# KiCad board Env-KB60F.kicad_pcb
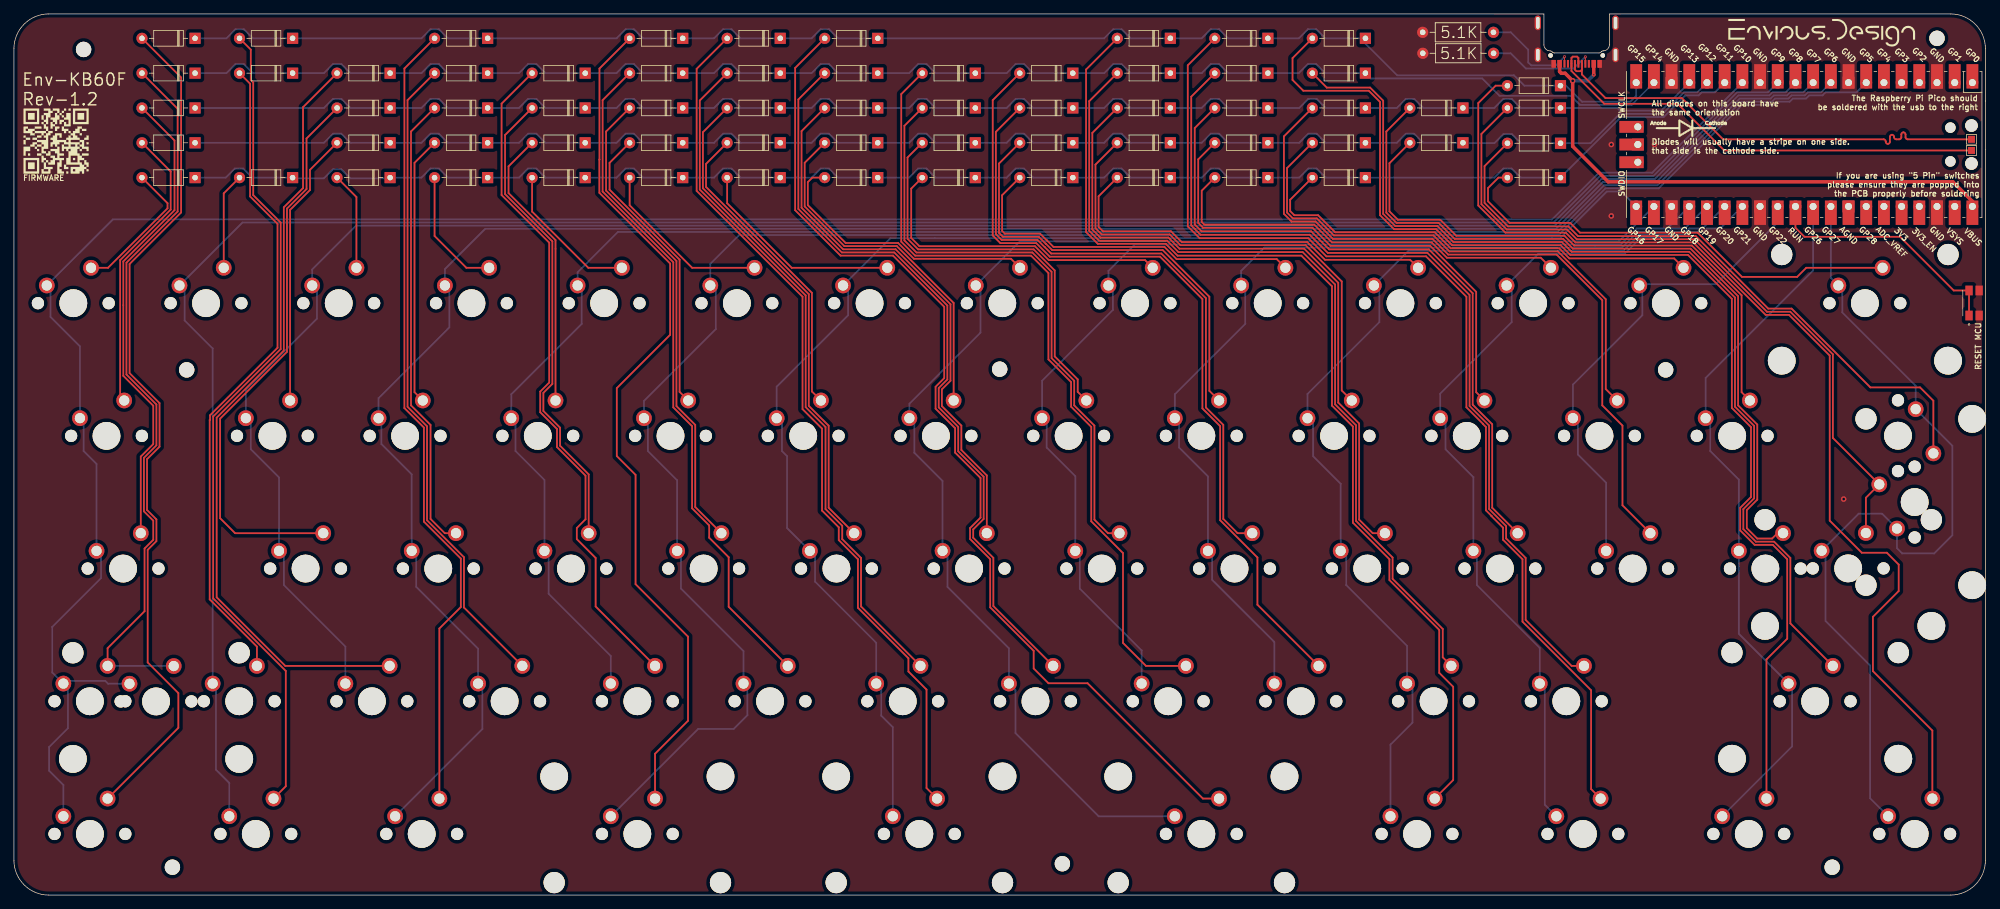
[diagram p0: board, top side]
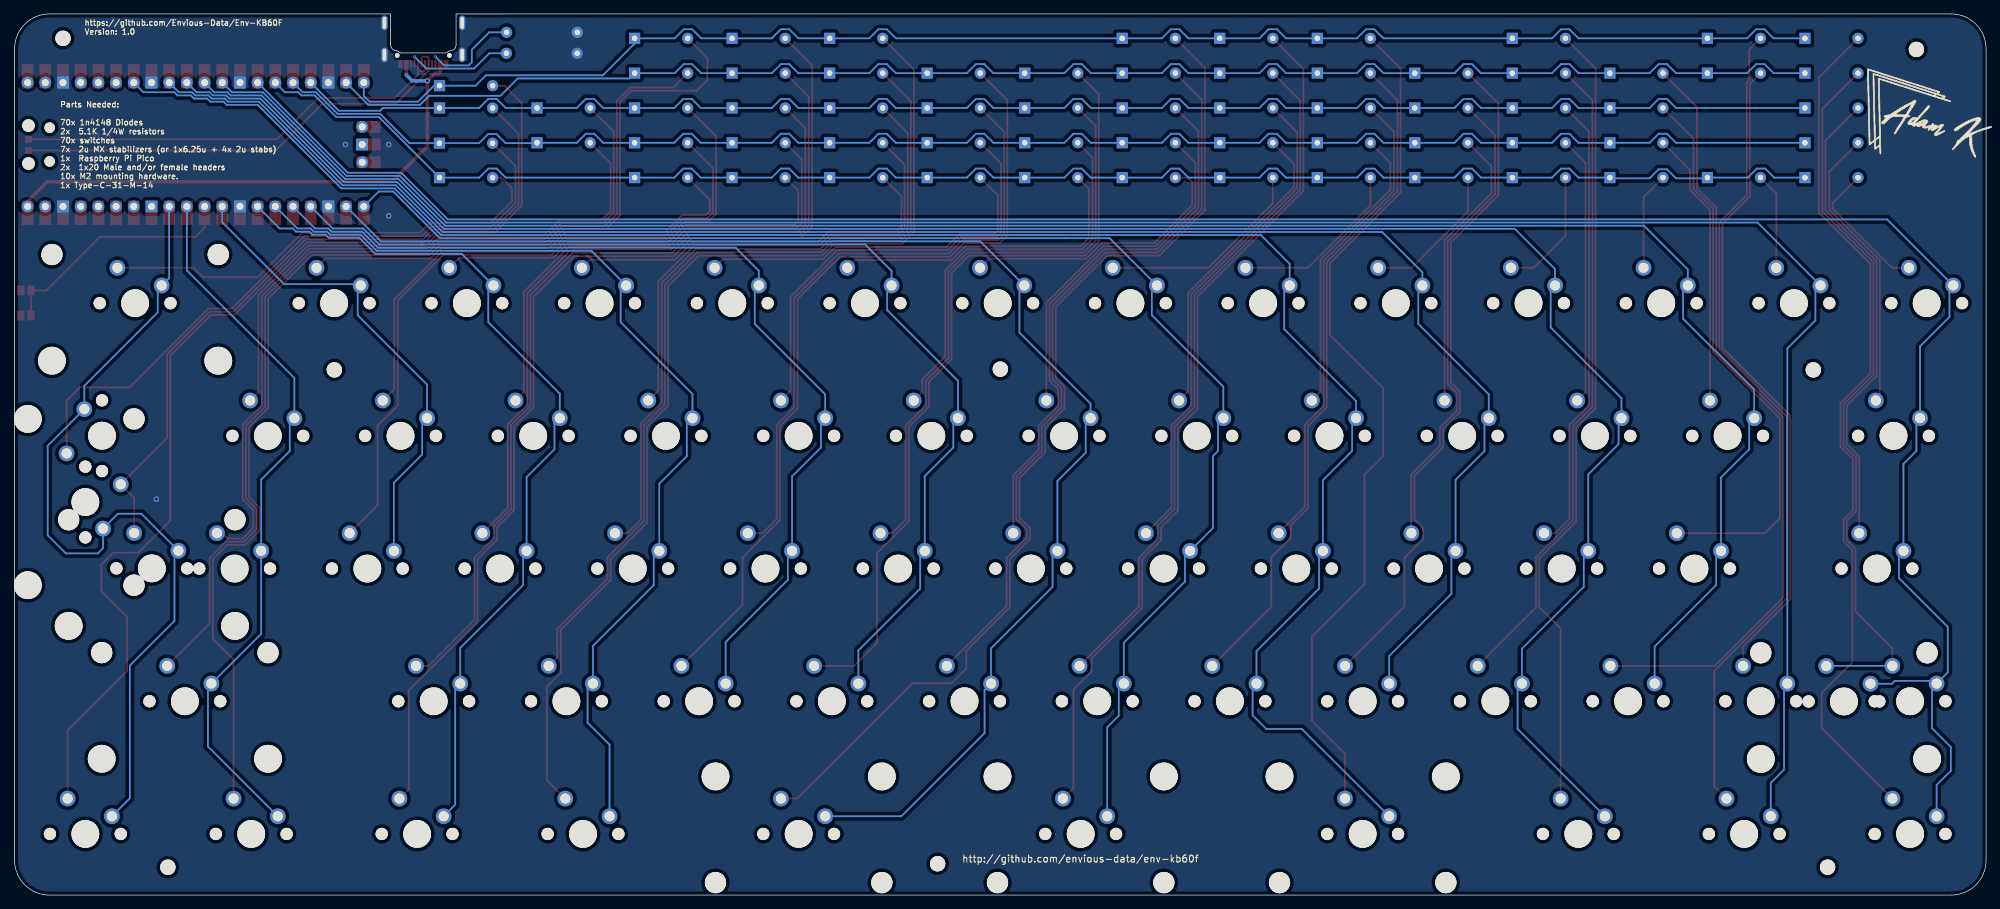
[diagram p1: board, bottom side, seen from below]

Outline 283 x 126.5 mm; copper layers: Top, Bottom. Coordinates in mm from the lower left corner of the outline.
Outline path: 219.62,126.5 5,126.5 arc(1.46,125.04) 0,121.5 0,5 arc(1.46,1.46) 5,0 278,0 arc(281.54,1.46) 283,5 283,121.5 arc(281.54,125.04) 278,126.5 229.03,126.5
Stack: Top 0.035mm / dielectric 1.51mm FR4 er 4.5 / Bottom 0.035mm

## Placement (name value [footprint] x y rotation side)
5.1K1  5.1K 0402 Resistor  [R_Axial_DIN0207_L6.3mm_D2.5mm_P10.16mm_Horizontal]  212.4 120.85 180 top
5.1K2  5.1K 0402 Resistor  [R_Axial_DIN0207_L6.3mm_D2.5mm_P10.16mm_Horizontal]  202.22 123.86 0 top
D_1  D  [D_DO-35_SOD27_P7.62mm_Horizontal]  26 103 180 top
D_2  D  [D_DO-35_SOD27_P7.62mm_Horizontal]  40 103 180 top
D_3  D  [D_DO-35_SOD27_P7.62mm_Horizontal]  54 103 180 top
D_4  D  [D_DO-35_SOD27_P7.62mm_Horizontal]  68 103 180 top
D_5  D  [D_DO-35_SOD27_P7.62mm_Horizontal]  82 103 180 top
D_6  D  [D_DO-35_SOD27_P7.62mm_Horizontal]  96 103 180 top
D_7  D  [D_DO-35_SOD27_P7.62mm_Horizontal]  110 103 180 top
D_8  D  [D_DO-35_SOD27_P7.62mm_Horizontal]  124 103 180 top
D_9  D  [D_DO-35_SOD27_P7.62mm_Horizontal]  138 103 180 top
D_10  D  [D_DO-35_SOD27_P7.62mm_Horizontal]  152 103 180 top
D_11  D  [D_DO-35_SOD27_P7.62mm_Horizontal]  166 103 180 top
D_12  D  [D_DO-35_SOD27_P7.62mm_Horizontal]  180 103 180 top
D_13  D  [D_DO-35_SOD27_P7.62mm_Horizontal]  194 103 180 top
D_14  D  [D_DO-35_SOD27_P7.62mm_Horizontal]  222 103 180 top
D_15  D  [D_DO-35_SOD27_P7.62mm_Horizontal]  26 108 180 top
D_16  D  [D_DO-35_SOD27_P7.62mm_Horizontal]  54 108 180 top
D_17  D  [D_DO-35_SOD27_P7.62mm_Horizontal]  68 108 180 top
D_18  D  [D_DO-35_SOD27_P7.62mm_Horizontal]  82 108 180 top
D_19  D  [D_DO-35_SOD27_P7.62mm_Horizontal]  96 108 180 top
D_20  D  [D_DO-35_SOD27_P7.62mm_Horizontal]  110 108 180 top
D_21  D  [D_DO-35_SOD27_P7.62mm_Horizontal]  124 108 180 top
D_22  D  [D_DO-35_SOD27_P7.62mm_Horizontal]  138 108 180 top
D_23  D  [D_DO-35_SOD27_P7.62mm_Horizontal]  152 108 180 top
D_24  D  [D_DO-35_SOD27_P7.62mm_Horizontal]  166 108 180 top
D_25  D  [D_DO-35_SOD27_P7.62mm_Horizontal]  180 108 180 top
D_26  D  [D_DO-35_SOD27_P7.62mm_Horizontal]  194 108 180 top
D_27  D  [D_DO-35_SOD27_P7.62mm_Horizontal]  208 108 180 top
D_28  D  [D_DO-35_SOD27_P7.62mm_Horizontal]  222.01 107.94 180 top
D_29  D  [D_DO-35_SOD27_P7.62mm_Horizontal]  26 113 180 top
D_30  D  [D_DO-35_SOD27_P7.62mm_Horizontal]  54 113 180 top
D_31  D  [D_DO-35_SOD27_P7.62mm_Horizontal]  68 113 180 top
D_32  D  [D_DO-35_SOD27_P7.62mm_Horizontal]  82 113 180 top
D_33  D  [D_DO-35_SOD27_P7.62mm_Horizontal]  96 113 180 top
D_34  D  [D_DO-35_SOD27_P7.62mm_Horizontal]  110 113 180 top
D_35  D  [D_DO-35_SOD27_P7.62mm_Horizontal]  124 113 180 top
D_36  D  [D_DO-35_SOD27_P7.62mm_Horizontal]  138 113 180 top
D_37  D  [D_DO-35_SOD27_P7.62mm_Horizontal]  152 113 180 top
D_38  D  [D_DO-35_SOD27_P7.62mm_Horizontal]  166 113 180 top
D_39  D  [D_DO-35_SOD27_P7.62mm_Horizontal]  180 113 180 top
D_40  D  [D_DO-35_SOD27_P7.62mm_Horizontal]  194 113 180 top
D_41  D  [D_DO-35_SOD27_P7.62mm_Horizontal]  208 113 180 top
D_42  D  [D_DO-35_SOD27_P7.62mm_Horizontal]  222 113 180 top
D_43  D  [D_DO-35_SOD27_P7.62mm_Horizontal]  26 118 180 top
D_44  D  [D_DO-35_SOD27_P7.62mm_Horizontal]  40 118 180 top
D_45  D  [D_DO-35_SOD27_P7.62mm_Horizontal]  54 118 180 top
D_46  D  [D_DO-35_SOD27_P7.62mm_Horizontal]  68 118 180 top
D_47  D  [D_DO-35_SOD27_P7.62mm_Horizontal]  82 118 180 top
D_48  D  [D_DO-35_SOD27_P7.62mm_Horizontal]  96 118 180 top
D_49  D  [D_DO-35_SOD27_P7.62mm_Horizontal]  110 118 180 top
D_50  D  [D_DO-35_SOD27_P7.62mm_Horizontal]  124 118 180 top
D_51  D  [D_DO-35_SOD27_P7.62mm_Horizontal]  138 118 180 top
D_52  D  [D_DO-35_SOD27_P7.62mm_Horizontal]  152 118 180 top
D_53  D  [D_DO-35_SOD27_P7.62mm_Horizontal]  166 118 180 top
D_54  D  [D_DO-35_SOD27_P7.62mm_Horizontal]  180 118 180 top
D_55  D  [D_DO-35_SOD27_P7.62mm_Horizontal]  194 118 180 top
D_56  D  [D_DO-35_SOD27_P7.62mm_Horizontal]  26 123 180 top
D_57  D  [D_DO-35_SOD27_P7.62mm_Horizontal]  40 123 180 top
D_58  D  [D_DO-35_SOD27_P7.62mm_Horizontal]  68 123 180 top
D_59  D  [D_DO-35_SOD27_P7.62mm_Horizontal]  110 123 180 top
D_60  D  [D_DO-35_SOD27_P7.62mm_Horizontal]  166 123 180 top
D_61  D  [D_DO-35_SOD27_P7.62mm_Horizontal]  180 123 180 top
D_62  D  [D_DO-35_SOD27_P7.62mm_Horizontal]  194 123 180 top
D_63  D  [D_DO-35_SOD27_P7.62mm_Horizontal]  222 116.2 180 top
D_590  D  [D_DO-35_SOD27_P7.62mm_Horizontal]  96 122.99 180 top
D_591  D  [D_DO-35_SOD27_P7.62mm_Horizontal]  124 122.99 180 top
G***  LOGO  [diode]  240 110.1 0 top
G***#2  LOGO  [firmware-qrcode]  6.05 108.25 0 top
G***#3  LOGO  [logo]  7.98 112 180 bottom
H1  MountingHole  [MountingHole_2.2mm_M2-MODIFIED]  150.5 4.5 0 top
H2  MountingHole  [MountingHole_2.2mm_M2-MODIFIED]  22.75 4 0 top
H3  MountingHole  [MountingHole_2.2mm_M2-MODIFIED]  10 121.4 0 top
H4  MountingHole  [MountingHole_2.2mm_M2-MODIFIED]  24.8 75.4 0 top
H6  MountingHole  [MountingHole_2.2mm_M2-MODIFIED]  261 4 0 top
H9  MountingHole  [MountingHole_2.2mm_M2-MODIFIED]  141.5 75.5 0 top
H10  MountingHole  [MountingHole_2.2mm_M2-MODIFIED]  237.1 75.4 0 top
H11  MountingHole  [MountingHole_2.2mm_M2-MODIFIED]  276.05 123 0 top
J1  TP3 Pad  [TestPoint_Pad_1.0x1.0mm]  281 108.5 0 top
J2  TP2 Pad  [TestPoint_Pad_1.0x1.0mm]  281 106.9 0 top
K_1  KEYSW  [MXOnly-1U-NoLED]  8.53 84.97 0 top
K_2  KEYSW  [MXOnly-1U-NoLED]  27.58 84.97 0 top
K_3  KEYSW  [MXOnly-1U-NoLED]  46.62 84.97 0 top
K_4  KEYSW  [MXOnly-1U-NoLED]  65.68 84.97 0 top
K_5  KEYSW  [MXOnly-1U-NoLED]  84.72 84.97 0 top
K_6  KEYSW  [MXOnly-1U-NoLED]  103.78 84.97 0 top
K_7  KEYSW  [MXOnly-1U-NoLED]  122.82 84.97 0 top
K_8  KEYSW  [MXOnly-1U-NoLED]  141.88 84.97 0 top
K_9  KEYSW  [MXOnly-1U-NoLED]  160.93 84.97 0 top
K_10  KEYSW  [MXOnly-1U-NoLED]  179.98 84.97 0 top
K_11  KEYSW  [MXOnly-1U-NoLED]  199.02 84.97 0 top
K_12  KEYSW  [MXOnly-1U-NoLED]  218.07 84.97 0 top
K_13  KEYSW  [MXOnly-1U-NoLED]  237.12 84.97 0 top
K_14  KEYSW  [MXOnly-1U-NoLED]  265.7 84.97 0 top
K_15  KEYSW  [MXOnly-1U-NoLED]  13.29 65.92 0 top
K_16  KEYSW  [MXOnly-1U-NoLED]  37.1 65.92 0 top
K_17  KEYSW  [MXOnly-1U-NoLED]  56.15 65.92 0 top
K_18  KEYSW  [MXOnly-1U-NoLED]  75.2 65.92 0 top
K_19  KEYSW  [MXOnly-1U-NoLED]  94.25 65.92 0 top
K_20  KEYSW  [MXOnly-1U-NoLED]  113.3 65.92 0 top
K_21  KEYSW  [MXOnly-1U-NoLED]  132.35 65.92 0 top
K_22  KEYSW  [MXOnly-1U-NoLED]  151.4 65.92 0 top
K_23  KEYSW  [MXOnly-1U-NoLED]  170.45 65.92 0 top
K_24  KEYSW  [MXOnly-1U-NoLED]  189.5 65.92 0 top
K_25  KEYSW  [MXOnly-1U-NoLED]  208.55 65.92 0 top
K_26  KEYSW  [MXOnly-1U-NoLED]  227.6 65.92 0 top
K_27  KEYSW  [MXOnly-1U-NoLED]  246.65 65.92 0 top
K_28  KEYSW  [MXOnly-1U-NoLED]  270.45 65.95 270 top
K_29  KEYSW  [MXOnly-1U-NoLED]  263.3 46.9 0 top
K_30  KEYSW  [MXOnly-1U-NoLED]  15.67 46.88 0 top
K_31  KEYSW  [MXOnly-1U-NoLED]  41.86 46.88 0 top
K_32  KEYSW  [MXOnly-1U-NoLED]  60.91 46.88 0 top
K_33  KEYSW  [MXOnly-1U-NoLED]  79.96 46.88 0 top
K_34  KEYSW  [MXOnly-1U-NoLED]  99.01 46.88 0 top
K_35  KEYSW  [MXOnly-1U-NoLED]  118.06 46.88 0 top
K_36  KEYSW  [MXOnly-1U-NoLED]  137.11 46.88 0 top
K_37  KEYSW  [MXOnly-1U-NoLED]  156.16 46.88 0 top
K_38  KEYSW  [MXOnly-1U-NoLED]  175.21 46.88 0 top
K_39  KEYSW  [MXOnly-1U-NoLED]  194.26 46.88 0 top
K_40  KEYSW  [MXOnly-1U-NoLED]  213.31 46.88 0 top
K_41  KEYSW  [MXOnly-1U-NoLED]  232.36 46.88 0 top
K_42  KEYSW  [MXOnly-1U-NoLED]  251.41 46.88 0 top
K_43  KEYSW  [MXOnly-1U-NoLED]  272.84 56.42 90 top
K_44  KEYSW  [MXOnly-1U-NoLED]  20.4 27.8 0 top
K_45  KEYSW  [MXOnly-1U-NoLED]  10.91 27.82 0 top
K_46  KEYSW  [MXOnly-1U-NoLED]  32.34 27.82 0 top
K_47  KEYSW  [MXOnly-1U-NoLED]  51.39 27.82 0 top
K_48  KEYSW  [MXOnly-1U-NoLED]  70.44 27.82 0 top
K_49  KEYSW  [MXOnly-1U-NoLED]  89.49 27.82 0 top
K_50  KEYSW  [MXOnly-1U-NoLED]  108.54 27.82 0 top
K_51  KEYSW  [MXOnly-1U-NoLED]  127.59 27.82 0 top
K_52  KEYSW  [MXOnly-1U-NoLED]  146.64 27.82 0 top
K_53  KEYSW  [MXOnly-1U-NoLED]  165.69 27.82 0 top
K_54  KEYSW  [MXOnly-1U-NoLED]  184.74 27.82 0 top
K_55  KEYSW  [MXOnly-1U-NoLED]  203.79 27.82 0 top
K_56  KEYSW  [MXOnly-1U-NoLED]  222.84 27.82 0 top
K_57  KEYSW  [MXOnly-1U-NoLED]  258.56 27.82 0 top
K_58  KEYSW  [MXOnly-1U-NoLED]  10.91 8.78 0 top
K_59  KEYSW  [MXOnly-1U-NoLED]  34.72 8.78 0 top
K_60  KEYSW  [MXOnly-1U-NoLED]  58.53 8.78 0 top
K_61  KEYSW  [MXOnly-1U-NoLED]  129.97 8.78 0 top
K_62  KEYSW  [MXOnly-1U-NoLED]  201.41 8.78 0 top
K_63  KEYSW  [MXOnly-1U-NoLED]  225.22 8.78 0 top
K_64  KEYSW  [MXOnly-1U-NoLED]  249.03 8.78 0 top
K_65  KEYSW  [MXOnly-1U-NoLED]  272.84 8.78 0 top
K_610  KEYSW  [MXOnly-1U-NoLED]  89.49 8.78 0 top
K_612  KEYSW  [MXOnly-1U-NoLED]  170.45 8.78 0 top
kibuzzard-627518B3  G***  [kibuzzard-627518B3]  259.5 123.8 0 top
stab1  MX Stabilizer  [Stabilizer_Cherry_MX_2u]  89.49 8.78 180 top
stab2  MX Stabilizer  [Stabilizer_Cherry_MX_2u]  265.7 84.97 0 top
stab3  MX Stabilizer  [Stabilizer_Cherry_MX_2u]  20.4 27.8 0 top
stab4  MX Stabilizer  [Stabilizer_Cherry_MX_2u]  272.84 56.42 90 top
stab5  MX Stabilizer  [Stabilizer_Cherry_MX_2u]  263.3 46.9 0 top
stab6  MX Stabilizer  [Stabilizer_Cherry_MX_2u]  129.97 8.78 180 top
stab7  MX Stabilizer  [Stabilizer_Cherry_MX_2u]  170.45 8.78 180 top
stab8  MX Stabilizer  [Stabilizer_Cherry_MX_2u]  258.56 27.82 0 top
SW1  EVQ-P7A01P  [Panasonic-EVQ-P7A01P-0-0-MFG]  281.7 85 90 top
U1  Pico  [RPi_Pico_SMD_TH]  257 107.75 270 top
USB1  HRO-TYPE-C-31-M-14  [USB_C_TYPE-C-31-M-14]  224.32 122.2 180 top

## Library data of the parts
USB1 = -: LCSC: C319148; MPN: U262-161N-4BVC11; Manufacturer: XKB Enterprise

## Footprints (pads in the part's own frame, mm; a bottom-side part is the same pattern mirrored in y, then rotated)
D_DO-35_SOD27_P7.62mm_Horizontal
  rect 1.6x1.6 hole 0.8: 1(0,0)
  oval 1.6x1.6 hole 0.8: 2(7.62,0)
MountingHole_2.2mm_M2-MODIFIED
  round 2.2 hole 2.2 unplated: (0,0)
MXOnly-1U-NoLED
  round 1.75 hole 1.75 unplated: (-5.08,0) (5.08,0)
  round 3.988 hole 3.988 unplated: (0,0)
  round 2.25 hole 1.47: 1(-3.81,2.54) 2(2.54,5.08)
Panasonic-EVQ-P7A01P-0-0-MFG
  rect 1.4x1.05 smd: 1(-1.8,1.05) 1'(1.8,1.05) 2(-1.8,-0.4) 2'(1.8,-0.4)
R_Axial_DIN0207_L6.3mm_D2.5mm_P10.16mm_Horizontal
  round 1.6 hole 0.8: 1(0,0)
  oval 1.6x1.6 hole 0.8: 2(10.16,0)
RPi_Pico_SMD_TH
  oval 1.8x1.8 hole 1.8 unplated: (-2.725,24) (2.725,24)
  oval 1.5x1.5 hole 1.5 unplated: (-2.425,20.97) (2.425,20.97)
  oval 1.7x1.7 hole 1.02: 1(-8.89,24.13) 2(-8.89,21.59) 4(-8.89,16.51) 5(-8.89,13.97) 6(-8.89,11.43) 7(-8.89,8.89) 9(-8.89,3.81) 10(-8.89,1.27) 11(-8.89,-1.27) 12(-8.89,-3.81) 14(-8.89,-8.89) 15(-8.89,-11.43) 16(-8.89,-13.97) 17(-8.89,-16.51) 19(-8.89,-21.59) 20(-8.89,-24.13) 21(8.89,-24.13) 22(8.89,-21.59) 24(8.89,-16.51) 25(8.89,-13.97) 26(8.89,-11.43) 27(8.89,-8.89) 29(8.89,-3.81) 30(8.89,-1.27) 31(8.89,1.27) 32(8.89,3.81) 34(8.89,8.89) 35(8.89,11.43) 36(8.89,13.97) 37(8.89,16.51) 39(8.89,21.59) 40(8.89,24.13) 41(-2.54,-23.9) 43(2.54,-23.9)
  rect 3.5x1.7 smd: 1(-8.89,24.13) 2(-8.89,21.59) 3(-8.89,19.05) 4(-8.89,16.51) 5(-8.89,13.97) 6(-8.89,11.43) 7(-8.89,8.89) 8(-8.89,6.35) 9(-8.89,3.81) 10(-8.89,1.27) 11(-8.89,-1.27) 12(-8.89,-3.81) 13(-8.89,-6.35) 14(-8.89,-8.89) 15(-8.89,-11.43) 16(-8.89,-13.97) 17(-8.89,-16.51) 18(-8.89,-19.05) 19(-8.89,-21.59) 20(-8.89,-24.13) 21(8.89,-24.13) 22(8.89,-21.59) 23(8.89,-19.05) 24(8.89,-16.51) 25(8.89,-13.97) 26(8.89,-11.43) 27(8.89,-8.89) 28(8.89,-6.35) 29(8.89,-3.81) 30(8.89,-1.27) 31(8.89,1.27) 32(8.89,3.81) 33(8.89,6.35) 34(8.89,8.89) 35(8.89,11.43) 36(8.89,13.97) 37(8.89,16.51) 38(8.89,19.05) 39(8.89,21.59) 40(8.89,24.13)
  rect 1.7x1.7 hole 1.02: 3(-8.89,19.05) 8(-8.89,6.35) 13(-8.89,-6.35) 18(-8.89,-19.05) 23(8.89,-19.05) 28(8.89,-6.35) 33(8.89,6.35) 38(8.89,19.05) 42(0,-23.9)
  rect 1.7x3.5 smd: 41(-2.54,-23.9) 42(0,-23.9) 43(2.54,-23.9)
Stabilizer_Cherry_MX_2u
  round 3.048 hole 3.048 unplated: (-11.938,6.985) (11.938,6.985)
  round 3.988 hole 3.988 unplated: (-11.938,-8.255) (11.938,-8.255)
TestPoint_Pad_1.0x1.0mm
  rect 1x1 smd: 1(0,0)
USB_C_TYPE-C-31-M-14
  oval 1.2x2.4 smd: (-5.675,1.58) (-5.675,-3.02) (5.675,1.58) (5.675,-3.02)
  round 0.65 hole 0.65 unplated: (-3.75,1.66) (3.75,1.66)
  rect 0.6x1.1 smd: A1(-3.3,2.86) A4(-2.45,2.86) A9(2.45,2.86) A12(3.3,2.86) B1(3.3,2.86) B4(2.45,2.86) B9(-2.45,2.86) B12(-3.3,2.86)
  rect 0.3x1.1 smd: A5(-1.25,2.86) A6(-0.25,2.86) A7(0.25,2.86) A8(1.25,2.86) B5(1.75,2.86) B6(0.75,2.86) B7(-0.75,2.86) B8(-1.75,2.86)
  oval 0.9x2.1 hole 0.5x1.7: S1(-5.575,1.58) S1(-5.575,-3.02) S1(5.575,1.58) S1(5.575,-3.02)

## Nets
GND: 5.1K1.2 5.1K2.1 SW1.2 SW1.2' U1.3 U1.8 U1.13 U1.18 U1.23 U1.28 U1.38 USB1.A1 USB1.A12 USB1.B1 USB1.B12 USB1.S1
VBUS: U1.40 USB1.A4 USB1.A9 USB1.B4 USB1.B9
col0: K_1.1 K_15.1 K_30.1 K_44.1 K_45.1 K_58.1 U1.14
col1: K_2.1 K_46.1 K_59.1 U1.12
col2: K_3.1 K_16.1 K_31.1 K_47.1 U1.11
col3: K_4.1 K_17.1 K_32.1 K_48.1 K_60.1 U1.10
col4: K_5.1 K_18.1 K_33.1 K_49.1 U1.9
col5: K_6.1 K_19.1 K_34.1 K_50.1 K_610.1 U1.7
col6: K_7.1 K_20.1 K_35.1 K_51.1 K_61.1 U1.21
col7: K_8.1 K_21.1 K_36.1 K_52.1 K_612.1 U1.22
col8: K_9.1 K_22.1 K_37.1 K_53.1 U1.24
col9: K_10.1 K_23.1 K_38.1 K_54.1 U1.25
col10: K_11.1 K_24.1 K_39.1 K_55.1 K_62.1 U1.26
col11: K_12.1 K_25.1 K_40.1 K_56.1 K_63.1 U1.27
col12: K_13.1 K_26.1 K_41.1 U1.29
col13: K_27.1 K_42.1 K_57.1 K_64.1 U1.31
col14: K_14.1 K_28.1 K_29.1 K_43.1 K_65.1 U1.32
row0: D_1.1 D_2.1 D_3.1 D_4.1 D_5.1 D_6.1 D_7.1 D_8.1 D_9.1 D_10.1 D_11.1 D_12.1 D_13.1 D_14.1 U1.15
row1: D_15.1 D_16.1 D_17.1 D_18.1 D_19.1 D_20.1 D_21.1 D_22.1 D_23.1 D_24.1 D_25.1 D_26.1 D_27.1 D_28.1 U1.16
row2: D_29.1 D_30.1 D_31.1 D_32.1 D_33.1 D_34.1 D_35.1 D_36.1 D_37.1 D_38.1 D_39.1 D_40.1 D_41.1 D_42.1 U1.17
row3: D_43.1 D_44.1 D_45.1 D_46.1 D_47.1 D_48.1 D_49.1 D_50.1 D_51.1 D_52.1 D_53.1 D_54.1 D_55.1 U1.19
row4: D_56.1 D_57.1 D_58.1 D_59.1 D_60.1 D_61.1 D_62.1 D_63.1 D_590.1 D_591.1 U1.20
RUNPIN: SW1.1 SW1.1' U1.30
USB2_N: J1.1 USB1.A7 USB1.B7
USB2_P: J2.1 USB1.A6 USB1.B6
Net-(5.1K1-Pad1): 5.1K1.1 USB1.A5
Net-(5.1K2-Pad2): 5.1K2.2 USB1.B5
Net-(D_1-Pad2): D_1.2 K_1.2
Net-(D_2-Pad2): D_2.2 K_2.2
Net-(D_3-Pad2): D_3.2 K_3.2
Net-(D_4-Pad2): D_4.2 K_4.2
Net-(D_5-Pad2): D_5.2 K_5.2
Net-(D_6-Pad2): D_6.2 K_6.2
Net-(D_7-Pad2): D_7.2 K_7.2
Net-(D_8-Pad2): D_8.2 K_8.2
Net-(D_9-Pad2): D_9.2 K_9.2
Net-(D_10-Pad2): D_10.2 K_10.2
Net-(D_11-Pad2): D_11.2 K_11.2
Net-(D_12-Pad2): D_12.2 K_12.2
Net-(D_13-Pad2): D_13.2 K_13.2
Net-(D_14-Pad2): D_14.2 K_14.2
Net-(D_15-Pad2): D_15.2 K_15.2
Net-(D_16-Pad2): D_16.2 K_16.2
Net-(D_17-Pad2): D_17.2 K_17.2
Net-(D_18-Pad2): D_18.2 K_18.2
Net-(D_19-Pad2): D_19.2 K_19.2
Net-(D_20-Pad2): D_20.2 K_20.2
Net-(D_21-Pad2): D_21.2 K_21.2
Net-(D_22-Pad2): D_22.2 K_22.2
Net-(D_23-Pad2): D_23.2 K_23.2
Net-(D_24-Pad2): D_24.2 K_24.2
Net-(D_25-Pad2): D_25.2 K_25.2
Net-(D_26-Pad2): D_26.2 K_26.2
Net-(D_27-Pad2): D_27.2 K_27.2
Net-(D_28-Pad2): D_28.2 K_28.2
Net-(D_29-Pad2): D_29.2 K_30.2
Net-(D_30-Pad2): D_30.2 K_31.2
Net-(D_31-Pad2): D_31.2 K_32.2
Net-(D_32-Pad2): D_32.2 K_33.2
Net-(D_33-Pad2): D_33.2 K_34.2
Net-(D_34-Pad2): D_34.2 K_35.2
Net-(D_35-Pad2): D_35.2 K_36.2
Net-(D_36-Pad2): D_36.2 K_37.2
Net-(D_37-Pad2): D_37.2 K_38.2
Net-(D_38-Pad2): D_38.2 K_39.2
Net-(D_39-Pad2): D_39.2 K_40.2
Net-(D_40-Pad2): D_40.2 K_41.2
Net-(D_41-Pad2): D_41.2 K_42.2
Net-(D_42-Pad2): D_42.2 K_29.2 K_43.2
Net-(D_43-Pad2): D_43.2 K_44.2 K_45.2
Net-(D_44-Pad2): D_44.2 K_46.2
Net-(D_45-Pad2): D_45.2 K_47.2
Net-(D_46-Pad2): D_46.2 K_48.2
Net-(D_47-Pad2): D_47.2 K_49.2
Net-(D_48-Pad2): D_48.2 K_50.2
Net-(D_49-Pad2): D_49.2 K_51.2
Net-(D_50-Pad2): D_50.2 K_52.2
Net-(D_51-Pad2): D_51.2 K_53.2
Net-(D_52-Pad2): D_52.2 K_54.2
Net-(D_53-Pad2): D_53.2 K_55.2
Net-(D_54-Pad2): D_54.2 K_56.2
Net-(D_55-Pad2): D_55.2 K_57.2
Net-(D_56-Pad2): D_56.2 K_58.2
Net-(D_57-Pad2): D_57.2 K_59.2
Net-(D_58-Pad2): D_58.2 K_60.2
Net-(D_59-Pad2): D_59.2 K_61.2
Net-(D_60-Pad2): D_60.2 K_62.2
Net-(D_61-Pad2): D_61.2 K_63.2
Net-(D_62-Pad2): D_62.2 K_64.2
Net-(D_63-Pad2): D_63.2 K_65.2
Net-(D_590-Pad2): D_590.2 K_610.2
Net-(D_591-Pad2): D_591.2 K_612.2

Pads without a net: U1 1 2 4 5 6 33 34 35 36 37 39 41 42 43; USB1 A8 B8

## Via types
v1: diameter 0.8, hole 0.4, Top to Bottom, 5 vias
v2: diameter 0.4, hole 0.2, Top to Bottom, 3 vias

## Routing (per net, layer and track width the routed paths; a pad name or vN(x,y) marks a point on that pad's centre or on a via; arc(x,y) is an arc through that point)
GND:
  vias: v1(229.3,107.75) v1(229.3,97.5) v1(235.5,107.75) v1(262.65,56.85)
VBUS: length 79.3
  Top w0.5: v2(226.79,117.77) 226.77,117.78 USB1.A4 ; U1.40 281.13,99.59 278.32,102.4 228.85,102.4 223.75,107.5 v1(223.75,116.9) 222.67,117.98 222.12,117.98 221.88,118.22 USB1.A9
  Bottom w0.5: v2(226.79,117.77) 225.92,116.9 v1(223.75,116.9)
col0: length 346.6
  Bottom w0.25: K_15.1 9.48,78.77 5.25,83 5.25,86.98 ; 12.5,48.77 12.5,45.5 5.5,38.5 5.5,31.96 7.1,30.37 ; K_30.1 11.86,61.89 10,63.75 10,67.94 ; K_58.1 7.1,15.8 5.05,17.85 5.05,21.25 7.75,23.95 7.75,29.71 ; U1.14 235.17,103.7 227.5,103.7 220.8,97 14.2,97 K_1.1 ; 7.48,30.75 13.1,30.75 13.51,30.34 K_44.1
col1: length 320
  Bottom w0.25: K_59.1 30.91,16.09 29,18 29,29.89 ; 28.53,30.37 28.53,78.47 24.5,82.5 24.5,86.78 K_2.1 32.8,96.55 221,96.55 227.7,103.25 235.36,103.25 247.36,115.25 251.8,115.25 U1.12
col2: length 292
  Bottom w0.25: K_3.1 42.81,89.81 49.1,96.1 221.19,96.1 227.89,102.8 235.54,102.8 247.54,114.8 251.99,114.8 252.44,115.25 254.34,115.25 U1.11 ; K_31.1 38.05,59.95 34,64 34,67.75 K_16.1 33.29,72.54 43.5,82.75 43.5,86.83 ; 47.58,30.37 47.58,35.67 38.75,44.5 38.75,48.72
col3: length 298.6
  Bottom w0.25: 57.75,48.77 57.75,44.25 66.63,35.37 66.63,30.37 ; K_32.1 57.1,60.4 52.75,64.75 52.75,68.06 ; K_4.1 61.87,89.86 67.65,95.65 221.38,95.65 228.08,102.35 235.73,102.35 247.73,114.35 252.17,114.35 252.62,114.8 254.53,114.8 254.98,115.25 256.88,115.25 U1.10 ; 67.25,29.74 67.25,23.84 K_60.1 ; K_17.1 52.34,71.34 62.5,81.5 62.5,86.88
col4: length 258
  Bottom w0.25: K_33.1 76.15,59.6 72,63.75 72,67.86 ; 81.5,86.93 81.5,82 71.39,71.89 K_18.1 ; K_5.1 80.91,89.42 86.7,95.2 221.57,95.2 228.27,101.9 235.92,101.9 247.92,113.9 252.36,113.9 252.81,114.35 254.71,114.35 255.16,114.8 257.07,114.8 257.52,115.25 259.42,115.25 U1.9 ; 85.68,30.37 85.68,34.32 76.75,43.25 76.75,48.82
col5: length 275.5
  Bottom w0.25: K_34.1 95.2,59.55 91,63.75 91,67.91 ; 105.29,29.81 105.29,25.82 103.32,23.85 98.21,23.85 K_610.1 ; 95.75,48.87 95.75,44 104.73,35.02 104.73,30.37 ; K_19.1 90.44,70.94 100.75,81.25 100.75,86.73 K_6.1 99.97,90.61 104.1,94.75 221.75,94.75 228.45,101.45 236.1,101.45 248.1,113.45 252.55,113.45 253,113.9 254.9,113.9 255.35,114.35 257.25,114.35 257.7,114.8 259.61,114.8 260.06,115.25 264.5,115.25 U1.7
col6: length 208
  Bottom w0.25: K_61.1 126.16,24.09 124.5,25.75 124.5,29.64 123.78,30.37 123.78,36.22 115,45 115,48.67 K_35.1 110.98,52.69 110.98,63.02 110.25,63.75 110.25,67.7 K_20.1 109.49,72.99 119.75,83.25 119.75,86.78 K_7.1 125.8,94.3 132.2,94.3 220.8,94.3 221.94,94.3 228.64,101 230.73,101 U1.21
col7: length 203
  Bottom w0.25: U1.22 230.4,93.85 144.4,93.85 K_8.1 ; 138.75,86.83 138.75,80.75 128.54,70.54 K_21.1 129.25,67.75 129.25,63.5 133.3,59.45 K_36.1 ; K_612.1 155.71,11.31 143.77,23.25 143.77,29.43 142.83,30.37 142.83,35.42 134,44.25 134,48.72
col8: length 154.1
  Bottom w0.25: 153,48.77 153,44 161.88,35.12 161.88,30.37 ; U1.24 237.33,95.7 232.95,95.7 230.65,93.4 224.55,93.4 160.9,93.4 157.12,89.62 K_9.1 ; K_37.1 152.35,60.15 148.25,64.25 148.25,67.81 ; K_22.1 147.59,73.84 157.75,84 157.75,86.88
col9: length 137.8
  Bottom w0.25: U1.25 239.87,95.7 237.97,95.7 237.52,95.25 233.14,95.25 230.84,92.95 226.95,92.95 179.5,92.95 176.16,89.62 176.16,87.52 ; 180.93,30.37 180.93,36.32 172,45.25 172,48.82 ; K_23.1 166.64,71.89 176.75,82 176.75,86.93 ; 167.25,67.86 167.25,64.25 171.4,60.1 K_38.1
col10: length 143.4
  Bottom w0.25: U1.26 242.41,95.7 240.51,95.7 240.06,95.25 238.15,95.25 237.7,94.8 233.32,94.8 231.02,92.5 200.2,92.5 K_11.1 196,86.73 196,82.25 185.69,71.94 K_24.1 186.5,67.66 186.5,63 190.45,59.05 K_39.1 191.25,48.62 191.25,44.5 199.98,35.77 199.98,30.37 200.75,29.59 200.75,24.75 197.6,21.6 K_62.1
col11: length 125.5
  Bottom w0.25: 210,48.92 210,44.5 219.03,35.47 219.03,30.37 219.75,29.64 219.75,12.97 K_63.1 ; K_40.1 209.5,60 205.5,64 205.5,67.7 K_25.1 204.74,71.99 215,82.25 215,86.78 K_12.1 218.8,92.05 231.21,92.05 233.51,94.35 237.89,94.35 238.34,94.8 240.24,94.8 240.69,95.25 242.6,95.25 243.05,95.7 244.95,95.7 U1.27
col12: length 69.4
  Bottom w0.25: 233.75,87.08 233.75,83.25 223.79,73.29 K_26.1 224.5,67.75 224.5,63.25 228.55,59.2 K_41.1 ; U1.29 253.19,96.59 244.3,87.7 233.5,87.7
col13: length 101.6
  Bottom w0.25: 254.75,30.37 247.6,37.51 K_42.1 247.6,59.65 243.5,63.75 243.5,67.81 ; K_27.1 242.84,74.24 258.27,89.67 U1.31 ; 255.25,29.86 255.25,21.34 K_64.1
col14: length 121.5
  Bottom w0.25: 261.89,87.21 262.45,86.65 262.45,83.65 272.99,73.11 K_28.1 278.25,64.5 278.25,51.65 275.65,49.05 271.05,49.05 270.3,49.8 K_43.1 268.17,54.75 264.8,54.75 K_29.1 ; U1.32 260.81,88.59 K_14.1 ; 260.05,48.88 260.05,39.35 266.45,32.95 266.45,13.9 K_65.1
row0: length 239.2
  Bottom w0.25: 25.9,103 30.4,103 31.7,104.3 32.9,104.3 34.2,103 39.9,103 ; 40,102.9 44.5,102.9 45.8,104.2 47,104.2 48.3,102.9 54,102.9 ; U1.15 244.18,115.25 242.28,115.25 241.83,114.8 239.92,114.8 236.82,111.7 236,111.7 230.7,111.7 D_14.1 216.3,103 215,104.3 213.8,104.3 212.5,103 D_13.1 188.3,103 187,104.3 185.8,104.3 184.5,103 D_12.1 174.3,103 173,104.3 171.8,104.3 170.5,103 D_11.1 160.3,103 159,104.3 157.8,104.3 156.5,103 D_10.1 146.3,103 145,104.3 143.8,104.3 142.5,103 D_9.1 132.3,103 131,104.3 129.8,104.3 128.5,103 D_8.1 118.3,103 117,104.3 115.8,104.3 114.5,103 D_7.1 104.3,103 103,104.3 101.8,104.3 100.5,103 D_6.1 90.3,103 89,104.3 87.8,104.3 86.5,103 D_5.1 76.3,103 75,104.3 73.8,104.3 72.5,103 D_4.1 62.3,103 61,104.3 59.8,104.3 58.5,103 D_3.1
row1: length 234.6
  Bottom w0.25: D_27.1 202.3,108 201,109.3 199.8,109.3 198.5,108 D_26.1 188.3,108 187,109.3 185.8,109.3 184.5,108 D_25.1 174.3,108 173,109.3 171.8,109.3 170.5,108 D_24.1 160.3,108 159,109.3 157.8,109.3 156.5,108 D_23.1 146.3,108 145,109.3 143.8,109.3 142.5,108 D_22.1 132.3,108 131,109.3 129.8,109.3 128.5,108 D_21.1 118.3,108 117,109.3 115.8,109.3 114.5,108 D_20.1 104.3,108 103,109.3 101.8,109.3 100.5,108 D_19.1 90.3,108 89,109.3 87.8,109.3 86.5,108 D_18.1 76.3,108 75,109.3 73.8,109.3 72.5,108 D_17.1 62.3,108 61,109.3 59.8,109.3 58.5,108 D_16.1 48.3,108 47,109.3 45.8,109.3 44.5,108 D_15.1 ; 208.02,107.95 212.52,107.95 213.82,109.25 215.02,109.25 216.32,107.95 222.02,107.95 ; U1.16 241.64,115.25 239.74,115.25 236.64,112.15 230.51,112.15 226.3,107.94 D_28.1
row2: length 230.3
  Bottom w0.25: D_29.1 44.5,113 45.8,114.3 47,114.3 48.3,113 D_30.1 58.5,113 59.8,114.3 61,114.3 62.3,113 D_31.1 72.5,113 73.8,114.3 75,114.3 76.3,113 D_32.1 86.5,113 87.8,114.3 89,114.3 90.3,113 D_33.1 100.5,113 101.8,114.3 103,114.3 104.3,113 D_34.1 114.5,113 115.8,114.3 117,114.3 118.3,113 D_35.1 128.5,113 129.8,114.3 131,114.3 132.3,113 D_36.1 142.5,113 143.8,114.3 145,114.3 146.3,113 D_37.1 156.5,113 157.8,114.3 159,114.3 160.3,113 D_38.1 170.5,113 171.8,114.3 173,114.3 174.3,113 D_39.1 184.5,113 185.8,114.3 187,114.3 188.3,113 D_40.1 198.5,113 199.8,114.3 201,114.3 202.3,113 D_41.1 212.5,113 213.8,114.3 215,114.3 216.3,113 D_42.1 230.15,113 230.55,112.6 236.45,112.6 U1.17
row3: length 225.5
  Bottom w0.25: D_43.1 30.5,118 31.8,119.3 33,119.3 34.3,118 D_44.1 44.5,118 45.8,119.3 47,119.3 48.3,118 D_45.1 58.5,118 59.8,119.3 61,119.3 62.3,118 D_46.1 72.5,118 73.8,119.3 75,119.3 76.3,118 D_47.1 86.5,118 87.8,119.3 89,119.3 90.3,118 D_48.1 100.5,118 101.8,119.3 103,119.3 104.3,118 D_49.1 114.5,118 115.8,119.3 117,119.3 118.3,118 D_50.1 128.5,118 129.8,119.3 131,119.3 132.3,118 D_51.1 142.5,118 143.8,119.3 145,119.3 146.3,118 D_52.1 156.5,118 157.8,119.3 159,119.3 160.3,118 D_53.1 170.5,118 171.8,119.3 173,119.3 174.3,118 D_54.1 184.44,118 185.74,119.3 186.94,119.3 188.24,118 D_55.1 194.76,117.24 210.76,117.24 213.25,114.75 223.5,114.75 224.8,113.45 232.22,113.45 U1.19
row4: length 221.9
  Bottom w0.25: U1.20 232.87,114.74 232.03,113.9 225.1,113.9 222.8,116.2 D_63.1 216.82,116.2 215.33,117.69 198.55,117.69 194,122.24 D_62.1 188.24,123 186.94,124.3 185.74,124.3 184.44,123 D_61.1 174.3,123 173,124.3 171.8,124.3 170.5,123 D_60.1 160.3,123 159,124.3 157.8,124.3 156.5,123 118.31,123 117.01,124.3 115.81,124.3 114.51,123 D_59.1 104.3,123 103,124.3 101.8,124.3 100.5,123 96,123 ; D_56.1 30.5,123 31.8,124.3 33,124.3 34.3,123 D_57.1 58.5,123 59.8,124.3 61,124.3 62.3,123 D_58.1 86.5,123 87.8,124.3 89,124.3 90.3,123 95.99,123
RUNPIN: length 33.2
  Top w0.25: 255.73,96.77 255.73,95.8 257.02,94.5 270.75,94.5 278.45,86.8 SW1.1' SW1.1
USB2_N: length 69
  Top w0.15: 225.07,118.59 USB1.B7 ; USB1.A7 224.07,118.59
  Top w0.25: J1.1 271.83,108.5 arc(271.62,108.59) 271.53,108.8 271.53,109.2 arc(271.44,109.41) 271.23,109.5 arc(271.02,109.41) 270.93,109.2 270.93,108.8 arc(270.84,108.59) 270.63,108.5 270.19,108.5 arc(269.98,108.59) 269.89,108.8 269.89,108.86 arc(269.8,109.07) 269.59,109.16 arc(269.38,109.07) 269.29,108.86 269.29,108.14 arc(269.2,107.93) 268.99,107.84 arc(268.78,107.93) 268.69,108.14 268.69,108.2 arc(268.6,108.41) 268.39,108.5 245.34,108.5 239.42,114.42 228.46,114.42 225.07,117.81 USB1.B7 225.07,118.49 224.86,118.28 224.29,118.28 224.07,118.49 USB1.A7
USB2_P: length 67.7
  Top w0.15: 224.5,120.16 224.57,120.09 USB1.A6 ; USB1.B6 223.57,120.09 223.65,120.16
  Top w0.25: J2.1 245.51,106.9 238.81,113.6 228.29,113.6 223.57,118.31 USB1.B6 223.57,120.19 223.76,120.37 224.39,120.37 224.57,120.19 USB1.A6
Net-(5.1K1-Pad1): length 15.8
  Top w0.15: USB1.A5 v2(225.57,120.35)
  Bottom w0.25: v2(225.57,120.35) 223.89,118.66 217.04,118.66 214.85,120.85 5.1K1.1
Net-(5.1K2-Pad2): length 14.8
  Top w0.15: v2(222.58,120.36) 222.57,120.35 USB1.B5
  Bottom w0.25: 5.1K2.2 214.87,123.86 217.37,121.36 217.37,119.54 217.8,119.11 221.33,119.11 v2(222.58,120.36)
Net-(D_1-Pad2): length 20.4
  Top w0.25: 11.06,90.06 13.51,90.06 22.05,98.6 22.05,99.33 D_1.2
Net-(D_2-Pad2): length 13.9
  Top w0.25: D_2.2 30.11,100.73 30.11,90.06
Net-(D_3-Pad2): length 14.1
  Top w0.25: 49.17,90.06 49.17,100.22 D_3.2
Net-(D_4-Pad2): length 18.1
  Top w0.25: 68.22,90.06 64.94,90.06 60.38,94.62 D_4.2
Net-(D_5-Pad2): length 21.1
  Top w0.25: 87.26,90.06 82.44,90.06 74.38,98.12 D_5.2
Net-(D_6-Pad2): length 25.6
  Top w0.25: 106.31,90.06 97.35,90.06 88.38,99.03 D_6.2
Net-(D_7-Pad2): length 30.5
  Top w0.25: D_7.2 102.38,99.32 111.65,90.06 125.37,90.06
Net-(D_8-Pad2): length 40.2
  Top w0.25: D_8.2 114.6,103 113.96,102.36 113.96,99.05 119.4,93.61 126.92,93.61 129.19,91.35 143.12,91.35 144.41,90.06
Net-(D_9-Pad2): length 45.8
  Top w0.25: 163.47,90.06 162.37,91.15 148.56,91.15 146.56,93.15 129.99,93.15 128.8,94.34 128.8,101.42 D_9.2
Net-(D_10-Pad2): length 51.6
  Top w0.25: 182.51,90.06 181.27,91.3 166.9,91.3 165.15,93.05 149.22,93.05 148.27,94 148.25,94 147.3,94.95 142.25,94.95 141.85,95.35 141.85,100.47 D_10.2
Net-(D_11-Pad2): length 56.5
  Top w0.25: D_11.2 155.7,100.32 155.7,95.93 156.33,95.3 166.08,95.3 167.63,93.75 185.65,93.75 188.2,91.2 200.42,91.2 201.56,90.06
Net-(D_12-Pad2): length 60
  Top w0.25: 220.62,90.06 219.17,91.5 205.7,91.5 203.5,93.7 189.2,93.7 186.65,96.25 170.89,96.25 170.5,96.64 170.5,101.12 D_12.2
Net-(D_13-Pad2): length 66
  Top w0.25: D_13.2 183.2,99.82 183.2,98.2 183.8,97.6 187.21,97.6 189.66,95.15 203.96,95.15 206.26,92.85 221.82,92.85 223.27,91.4 238.32,91.4 239.67,90.06
Net-(D_14-Pad2): length 67
  Top w0.25: 268.24,90.06 257.28,90.06 255.98,88.75 248.05,88.75 241.7,95.1 224.8,95.1 223.4,96.5 214.7,96.5 211.6,99.6 211.6,101.5 213.1,103 D_14.2
Net-(D_15-Pad2): length 41.1
  Top w0.25: D_15.2 22.5,103.88 22.5,98.41 15.25,91.16 15.25,71.58
Net-(D_16-Pad2): length 39.8
  Top w0.25: D_16.2 42.5,104.12 42.5,101.23 39.64,98.37 K_16.2
Net-(D_17-Pad2): length 38.7
  Top w0.25: K_17.2 57.5,72.19 57.5,105.12 D_17.2
Net-(D_18-Pad2): length 41.2
  Top w0.25: D_18.2 71,104.62 71,100.77 77.74,94.03 77.74,92.76 K_18.2
Net-(D_19-Pad2): length 42.9
  Top w0.25: D_19.2 85.5,105.12 85.5,101.27 95.55,91.22 95.55,72.24 K_19.2
Net-(D_20-Pad2): length 45.1
  Top w0.25: K_20.2 114.55,72.29 114.55,86.46 99.35,101.66 99.35,104.97 D_20.2
Net-(D_21-Pad2): length 51.5
  Top w0.25: D_21.2 113.51,105.13 113.51,98.87 119.21,93.16 126.74,93.16 134.89,85.01 K_21.2
Net-(D_22-Pad2): length 58.2
  Top w0.25: K_22.2 152.7,72.25 152.7,74.04 149.4,77.34 149.4,89.67 146.37,92.7 129.8,92.7 128.27,94.23 128.27,105.89 D_22.2
Net-(D_23-Pad2): length 63.6
  Top w0.25: K_23.2 171.6,72.39 171.6,85.9 164.9,92.6 149.04,92.6 148.14,93.5 148.12,93.5 147.12,94.5 141.97,94.5 141.4,95.07 141.4,105.02 D_23.2
Net-(D_24-Pad2): length 69.8
  Top w0.25: D_24.2 155.25,104.87 155.25,95.74 156.14,94.85 165.9,94.85 167.45,93.3 185.4,93.3 190.6,88.1 190.6,72.44 K_24.2
Net-(D_25-Pad2): length 72.6
  Top w0.25: K_25.2 209.9,72.19 209.9,86.6 203.3,93.2 189,93.2 186.4,95.8 170.7,95.8 170,96.5 170,105.62 D_25.2
Net-(D_26-Pad2): length 77.6
  Top w0.25: D_26.2 182.75,104.37 182.75,97.99 183.59,97.15 187.02,97.15 189.47,94.7 203.77,94.7 206.07,92.4 221.64,92.4 228.5,85.54 228.5,72.64 K_26.2
Net-(D_27-Pad2): length 82.2
  Top w0.25: D_27.2 197.45,105.07 197.45,98.16 198.66,96.95 204.75,96.95 207.05,94.65 222.57,94.65 223.97,93.25 240.86,93.25 248,86.11 248,72.19 K_27.2
Net-(D_28-Pad2): length 93.7
  Top w0.25: K_28.2 275.53,70.97 273.61,72.89 266.49,72.89 255.17,84.2 251.82,84.2 241.42,94.6 224.53,94.6 223.13,96 214.47,96 211.1,99.37 211.1,104.65 D_28.2
Net-(D_29-Pad2): length 68.5
  Top w0.25: D_29.2 23.05,108.33 23.05,98.32 15.7,90.97 15.7,84.7 15.7,74.55 20,70.25 20,64.75 18.21,62.96 K_30.2
Net-(D_30-Pad2): length 81.5
  Top w0.25: D_30.2 42,108.62 42,101.36 39.19,98.55 39.19,77.99 29.6,68.4 29.6,54.1 31.75,51.95 K_31.2
Net-(D_31-Pad2): length 66.1
  Top w0.25: K_32.2 61.84,51.95 59.8,54 59.8,67.5 57,70.3 57,109.62 D_31.2
Net-(D_32-Pad2): length 68.7
  Top w0.25: D_32.2 70.5,109.12 70.5,100.64 77.29,93.85 77.29,73.39 76,72.1 76,69.5 78.4,67.1 78.4,64.5 82.5,60.4 K_33.2
Net-(D_33-Pad2): length 69.3
  Top w0.25: K_34.2 97.8,55.71 97.8,67.5 95.1,70.2 95.1,91.04 85,101.14 85,109.62 D_33.2
Net-(D_34-Pad2): length 71.5
  Top w0.25: K_35.2 116.95,55.61 116.95,67.39 114.1,70.24 114.1,86.27 98.9,101.47 98.9,109.52 D_34.2
Net-(D_35-Pad2): length 78.9
  Top w0.25: K_36.2 139.65,60.25 136,63.9 136,67.4 133.2,70.2 133.2,72.6 134.44,73.84 134.44,84.82 126.55,92.71 119.03,92.71 113.06,98.68 113.06,109.68 D_35.2
Net-(D_36-Pad2): length 85.6
  Top w0.25: K_37.2 157.04,51.95 155.1,53.9 155.1,67.4 152.2,70.3 152.2,73.84 148.95,77.09 148.95,89.49 146.19,92.25 129.56,92.25 127.82,93.99 127.82,110.44 D_36.2
Net-(D_37-Pad2): length 91.2
  Top w0.25: K_38.2 175.65,51.95 173.6,54 173.6,67.5 171.1,70 171.1,85.7 164.7,92.1 148.9,92.1 148,93 147.98,93 146.93,94.05 141.79,94.05 140.95,94.89 140.95,109.57 D_37.2
Net-(D_38-Pad2): length 97.2
  Top w0.25: K_39.2 195.05,51.95 193.1,53.9 193.1,67.7 190.1,70.7 190.1,87.9 185.2,92.8 167.31,92.8 165.71,94.4 155.95,94.4 154.8,95.55 154.8,109.42 D_38.2
Net-(D_39-Pad2): length 99
  Top w0.25: K_40.2 212.2,55.61 212.2,67.6 209.4,70.4 209.4,86.4 203.1,92.7 188.8,92.7 186.2,95.3 170.47,95.3 169.5,96.27 169.5,110.12 D_39.2
Net-(D_40-Pad2): length 104
  Top w0.25: D_40.2 182.3,108.92 182.3,97.8 183.4,96.7 186.84,96.7 189.34,94.2 203.64,94.2 205.89,91.95 221.45,91.95 228,85.4 228,70.3 230.9,67.4 230.9,55.96 K_41.2
Net-(D_41-Pad2): length 112.3
  Top w0.25: 253.15,51.95 252.38,51.18 250.24,51.18 248.75,52.67 248.75,55.28 250.25,56.78 250.25,67.55 247.5,70.3 247.5,85.97 240.67,92.8 223.78,92.8 222.38,94.2 206.82,94.2 204.52,96.5 198.47,96.5 197,97.97 197,109.62 D_41.2
Net-(D_42-Pad2): length 103.9
  Top w0.25: D_42.2 210.65,109.27 210.65,99.19 214.29,95.55 222.94,95.55 224.34,94.15 241.23,94.15 251.63,83.75 254.99,83.75 261.1,77.64 261.1,65.63 K_43.2 265.84,57.04 K_29.2
Net-(D_43-Pad2): length 105.5
  Top w0.25: K_45.2 13.45,35.45 18.75,40.75 18.75,49.75 20,51 20,53.75 18.66,55.09 18.66,62.77 20.45,64.56 20.45,70.44 16.15,74.74 16.15,90.79 23.5,98.14 23.5,112.88 D_43.2
  Bottom w0.25: K_45.2 22.92,32.91
Net-(D_44-Pad2): length 94.2
  Top w0.25: K_46.2 34.88,35.67 28.1,42.45 28.1,68.2 28.15,68.25 28.15,68.88 37.84,78.57 37.84,96.36 33.9,100.3 33.9,116.48 D_44.2
Net-(D_45-Pad2): length 111.3
  Top w0.25: D_45.2 41.5,113.12 41.5,101.5 38.74,98.74 38.74,78.18 29.1,68.54 29.1,42.75 38.94,32.91 K_47.2
Net-(D_46-Pad2): length 93.5
  Top w0.25: K_48.2 64.6,41.28 64.6,48.5 59.3,53.8 59.3,67.3 56.5,70.1 56.5,114.12 D_46.2
Net-(D_47-Pad2): length 98.1
  Top w0.25: D_47.2 70,113.62 70,100.5 76.84,93.66 76.84,73.58 75.55,72.29 75.55,69.31 77.95,66.91 77.95,64.31 82.05,60.21 82.05,53.95 80.8,52.7 80.8,51.1 83.5,48.4 83.5,41.43 K_49.2
Net-(D_48-Pad2): length 97.7
  Top w0.25: K_50.2 102.6,41.38 102.6,48.5 99.8,51.3 99.8,53.07 97.35,55.52 97.35,67.31 94.65,70.01 94.65,90.85 84.5,101 84.5,114.12 D_48.2
Net-(D_49-Pad2): length 99.8
  Top w0.25: D_49.2 98.45,114.07 98.45,101.29 113.65,86.09 113.65,70.05 116.5,67.2 116.5,55.42 118.9,53.02 118.9,51.1 121.6,48.4 121.6,41.43 K_51.2
Net-(D_50-Pad2): length 108.5
  Top w0.25: D_50.2 112.6,114.22 112.6,98.5 118.84,92.26 126.37,92.26 133.99,84.64 133.99,74.03 132.75,72.79 132.75,70.01 135.55,67.21 135.55,63.71 139.2,60.06 139.2,54 137.7,52.5 137.7,51.3 140.59,48.41 140.59,41.49 K_52.2
Net-(D_51-Pad2): length 116.4
  Top w0.25: D_51.2 127.37,114.99 127.37,93.8 129.37,91.8 146,91.8 148.5,89.3 148.5,76.9 151.75,73.65 151.75,70.11 154.65,67.21 154.65,53.65 159.2,49.1 159.2,36.2 162.5,32.91 K_53.2
Net-(D_52-Pad2): length 118.4
  Top w0.25: K_54.2 178.5,41.68 178.5,48.46 173.15,53.81 173.15,67.31 170.6,69.86 170.6,85.56 164.51,91.65 148.7,91.65 146.75,93.6 141.6,93.6 140.5,94.7 140.5,114.12 D_52.2
Net-(D_53-Pad2): length 124.5
  Top w0.25: D_53.2 154.35,113.97 154.35,95.37 155.77,93.95 165.52,93.95 167.17,92.3 185,92.3 189.65,87.65 189.65,70.45 192.65,67.45 192.65,53.71 197.9,48.46 197.9,45.4 205.1,38.2 205.1,34.13 K_55.2
Net-(D_54-Pad2): length 128.4
  Top w0.25: D_54.2 169,114.62 169,96.14 170.34,94.8 186,94.8 188.6,92.2 202.9,92.2 208.95,86.15 208.95,70.21 211.75,67.41 211.75,55.42 214.2,52.97 214.2,51.2 217,48.4 217,39.5 223.6,32.91 K_56.2
Net-(D_55-Pad2): length 145.1
  Top w0.25: D_55.2 188.45,115.92 194.67,115.92 196.55,114.05 196.55,97.79 198.29,96.05 204.33,96.05 206.63,93.75 222.2,93.75 223.6,92.35 240.49,92.35 247.05,85.79 247.05,70.11 249.8,67.36 249.8,56.96 248.25,55.41 248.25,52.54 250.05,50.73 252.67,50.73 255,48.4 255,39 K_57.2
Net-(D_56-Pad2): length 124.2
  Top w0.25: D_56.2 24,117.38 24,98 16.6,90.6 16.6,74.92 20.9,70.62 20.9,64.38 19.11,62.59 19.11,55.28 20.45,53.94 20.45,50.81 19.2,49.56 19.2,33.4 23.6,29 23.6,24.01 K_58.2
Net-(D_57-Pad2): length 120.7
  Top w0.25: D_57.2 34,121.38 34,117.02 34.35,116.67 34.35,100.49 38.29,96.55 38.29,78.39 28.6,68.7 28.6,42.6 39.03,32.17 39.03,15.62 K_59.2
Net-(D_58-Pad2): length 115.6
  Top w0.25: D_58.2 56.05,118.67 56.05,69.91 58.85,67.11 58.85,53.61 64.15,48.31 64.15,41.35 61.07,38.27 K_60.2
Net-(D_59-Pad2): length 125.3
  Top w0.25: K_61.2 131,15.36 131,29.5 128.4,32.1 128.4,34 121.15,41.25 121.15,48.21 118.4,50.96 118.4,52.8 116,55.2 116,66.96 113.2,69.76 113.2,85.9 98,101.1 98,118.62 D_59.2
Net-(D_60-Pad2): length 150
  Top w0.25: D_60.2 153.9,118.52 153.9,95.18 155.58,93.5 165.34,93.5 167.04,91.8 184.8,91.8 189.2,87.4 189.2,70.26 192.2,67.26 192.2,53.46 197.45,48.21 197.45,45.21 204.6,38.06 204.6,31.9 206.6,29.9 206.6,16.51 K_62.2
Net-(D_61-Pad2): length 152.8
  Top w0.25: K_63.2 226.4,15.21 226.4,29.4 216.55,39.25 216.55,48.21 213.75,51.01 213.75,52.75 212.1,54.4 212.1,54.43 211.3,55.23 211.3,67.2 210.9,67.6 210.9,67.63 208.5,70.03 208.5,85.9 202.7,91.7 188.4,91.7 185.8,94.3 170.2,94.3 168.5,96 168.5,119.12 D_61.2
Net-(D_62-Pad2): length 171.8
  Top w0.25: K_64.2 251.57,33.83 254.55,36.81 254.55,48.21 252.48,50.28 249.87,50.28 247.8,52.35 247.8,55.6 249.35,57.15 249.35,67.18 246.6,69.93 246.6,85.6 240.3,91.9 223.41,91.9 222.01,93.3 206.45,93.3 204.15,95.6 198.1,95.6 196.1,97.6 196.1,113.86 194.48,115.48 185.08,115.48 183.54,117.02 183.54,120.16 D_62.2
Net-(D_63-Pad2): length 154.2
  Top w0.25: D_63.2 212.7,116.2 210.2,113.7 210.2,99 214.1,95.1 222.75,95.1 224.15,93.7 241.05,93.7 251.45,83.3 254.8,83.3 260.65,77.45 260.65,53.75 265.25,49.15 268.85,49.15 270.55,47.45 270.55,43.65 266.85,39.95 266.85,32.15 275.38,23.62 K_65.2
Net-(D_590-Pad2): length 124.5
  Top w0.25: D_590.2 84.05,118.66 84.05,105.59 84.04,105.58 84.04,100.83 94.2,90.66 94.2,80.44 86.54,72.78 86.54,63.02 89.23,60.33 89.23,44.63 96.76,37.1 96.76,25.02 92.03,20.29 K_610.2
Net-(D_591-Pad2): length 147.4
  Top w0.25: K_612.2 170.67,13.85 154.12,30.41 148.5,30.41 146.38,32.53 146.38,35.06 140.14,41.31 140.14,48.22 137.25,51.11 137.25,52.69 138.75,54.19 138.75,59.88 135.1,63.53 135.1,67.03 132.3,69.83 132.3,72.97 133.54,74.21 133.54,84.45 126.18,91.81 118.65,91.81 112.14,98.32 112.14,118.75 D_591.2

## Copper pours and planes (outline as drawn; the poured copper is in the pictures)
GND on Top: 283,0 0,0 0,126.6 283,126.6
GND on Bottom: 283,0 0,0 0,126.6 283,126.6

## Text on the board
B.Silkscreen: https://github.com/Envious-Data/Env-KB60F / Version: 1.0 | Parts Needed: / 70x 1n4148 Diodes / 2x  5.1K 1/4W resistors / 70x switches / 7x  2u MX stabilizers (or 1x6.25u + 4x 2u stabs) / 1x  Raspberry Pi Pico / 2x  1x20 Male and/or female headers / 10x M2 mounting hardware. / 1x Type-C-31-M-14 | http://github.com/envious-data/env-kb60f
F.Silkscreen: FIRMWARE | All diodes on this board have / the same orientation | Diodes will usually have a stripe on one side. / that side is the cathode side. | The Raspberry Pi Pico should / be soldered with the usb to the right | If you are using "5 Pin" switches / please ensure they are popped into / the PCB properly before soldering | RESET MCU | 5.1K | Env-KB60F / Rev-1.2
